# Altium PCB Fast_Servo.PCBDOC (part 1 of 7) (continued)
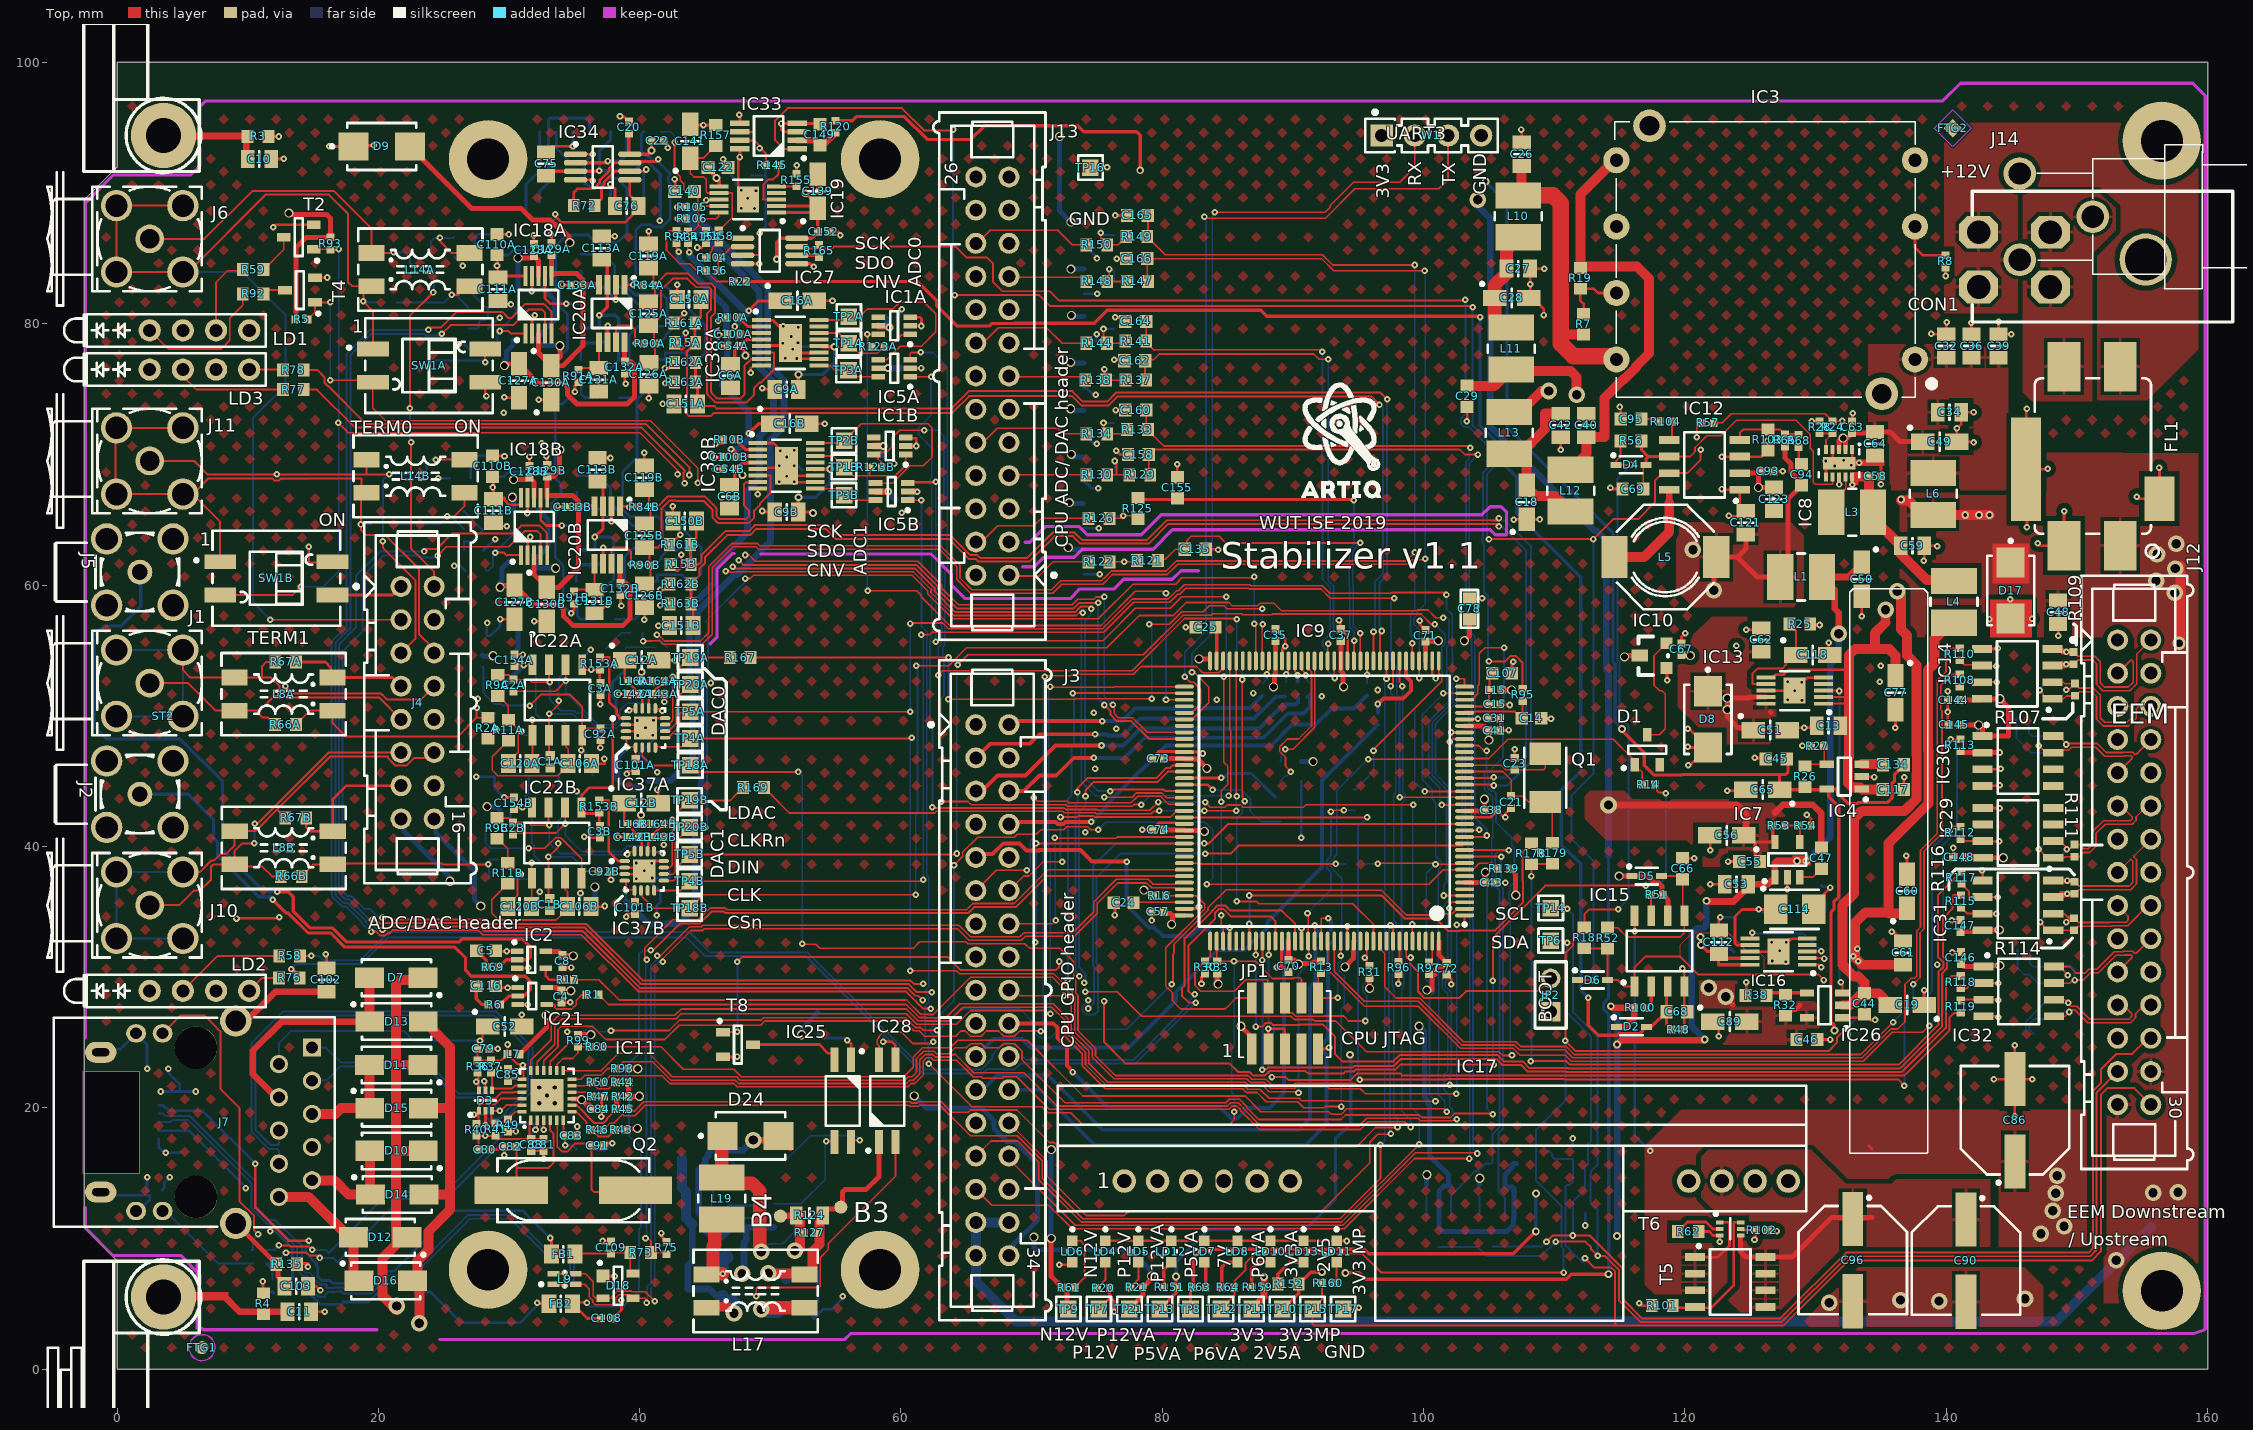
[diagram p0: Top view]
## Components (designator, comment, footprint, x,y, rotation, side; value= is the part's Value field where it differs from the comment) (continued)
IC22A "OPA2197ID" SOIC127P600X175-8N 33.702,51.21 r90 top (schematic designator IC22)
IC22B "OPA2197ID" SOIC127P600X175-8N 33.657,40.272 r90 top (schematic designator IC22)
IC23 "FIN1027AMX" SOIC127P600X175-8N 145.432,53.206 r0 bottom
IC25 "ACPL-217-500E" SOIC127P700X242-4N 55.55,20.524 r270 top
IC26 "LT1964ES5-SD#TRMPBF" SOT95P280X100-5N 130.692,27.846 r180 top
IC27 "ADA4528-2ARMZ-RL" ADI-RM-8_N 49.955,85.575 r0 top
IC28 "ACPL-217-500E" SOIC127P700X242-4N 58.947,20.524 r90 top
IC29 "FIN1028MX" SOIC127P600X175-8N 145.493,41.041 r180 top
IC30 "FIN1027AMX" SOIC127P600X175-8N 145.483,46.541 r0 top
IC31 "FIN1028MX" SOIC127P600X175-8N 145.483,35.485 r180 top
IC32 "FIN1027AMX" SOIC127P600X175-8N 145.543,28.906 r0 top
IC33 "LTC6655BHMS8-4.096#PBF" SOP65P490X110-8N 49.875,94.371 r180 top
IC34 "ADA4528-2ARMZ-RL" ADI-RM-8_N 37.171,92.001 r0 top
IC36 "FIN1027AMX" SOIC127P600X175-8N 145.492,41.041 r0 bottom
IC37A "AD5542ABCPZ-REEL7" QFN50P300X300X80-17N-S175 40.448,49.07 r0 top (schematic designator IC37)
IC37B "AD5542ABCPZ-REEL7" QFN50P300X300X80-17N-S175 40.353,38.132 r0 top (schematic designator IC37)
IC38A "LTC2310HMSE-16#PBF" SOP50P490X110-17N-R175X290 51.537,78.544 r0 top (schematic designator IC38)
IC38B "LTC2310HMSE-16#PBF" SOP50P490X110-17N-R175X290 51.239,69.133 r0 top (schematic designator IC38)
IC39 "FIN1028MX" SOIC127P600X175-8N 145.491,46.541 r180 bottom
IC40 "FIN1027AMX" SOIC127P600X175-8N 145.483,35.485 r0 bottom
IC41 "FIN1028MX" SOIC127P600X175-8N 145.543,28.906 r180 bottom
J1 "SMA" RF249BT0050GHDW 2.5,52.5 r180 top locked
J2 "MCX" AMPHENOL_919-383J-51A 1.75,44 r180 top locked
J3 "Header 34" 3M_N2534-6002RB 67,29 r270 top locked
J4 "Header 16" 3M_N2516-6002RB 23,51 r270 top locked
J5 "MCX" AMPHENOL_919-383J-51A 1.75,61 r180 top locked
J6 "SMA" RF249BT0050GHDW 2.5,86.5 r180 top locked
J7 "RJ45" ABRACON_ARJM11C7-114-BA-EW2 6.04,18.895 r270 top locked
J9 "USB" UJ2-MIBH-4-MSMT -1.5,18.895 r270 bottom locked
J10 "SMA" RF249BT0050GHDW 2.5,35.5 r180 top locked
J11 "SMA" RF249BT0050GHDW 2.5,69.5 r180 top locked
J12 "Familly" 3M_N2530-6002RB 154.384,38.018 r270 top locked
J13 "Header 26" 3M_N2526-6002RB 67,76 r90 top locked
J14 "Jack" SWITCHCRAFT_L712RA 145.617,84.9 r180 top
JP1 "PLHTD10S-TR-CV" PLHTD10S-TR-CV 92.559,26.45 r0 top
JP2 "1798942 (goldpin 2x 2.54)" jump 109.728,27.359 r180 top
L1 "10uH" IND_MURATA-PS_8400 128.892,60.624 r0 top
L2A "600R@100MHz" INDC1005X55N 30.707,58.184 r270 bottom (schematic designator L2)
L2B "600R@100MHz" INDC1005X55N 29.747,42.782 r0 bottom (schematic designator L2)
L3 "10uH" IND_MURATA-PS_8400 132.8,65.578 r0 top
L4 "10uH" IND_MURATA-PS_8400 140.59,58.725 r270 top
L5 "4.7uH" IND_BOURNS_SRU8043 118.5,62.145 r0 top
L6 "10uH" IND_MURATA-PS_8400 139,66.976 r90 top
L7 "600R@100MHz" INDC1005X55N 30.341,24.095 r0 top
L8A "2x6.5mH" IND_WURTH_WE-SL2 12.75,51.658 r180 top (schematic designator L8)
L8B "2x6.5mH" IND_WURTH_WE-SL2 12.757,39.896 r180 top (schematic designator L8)
L9 "90R@100MHz" IND_MURATA_DLW21S 34.264,6.891 r0 top
L10 "10uH" IND_MURATA-PS_8400 107.25,88.226 r270 top
L11 "10uH" IND_MURATA-PS_8400 106.699,78.105 r270 top
L12 "10uH" IND_MURATA-PS_8400 111.25,67.226 r270 top
L13 "10uH" IND_MURATA-PS_8400 106.553,71.658 r90 top
L14A "2x6.5mH" IND_WURTH_WE-SL2 23.221,84.144 r0 top (schematic designator L14)
L14B "2x6.5mH" IND_WURTH_WE-SL2 22.851,68.338 r0 top (schematic designator L14)
L15 "600R@100MHz" INDC1005X55N 105.509,51.973 r180 top
L16A "600R@100MHz" INDC1005X55N 39.583,52.642 r180 top (schematic designator L16)
L16B "600R@100MHz" INDC1005X55N 39.538,41.704 r180 top (schematic designator L16)
L17 "2x1mH" IND_WURTH_WE-SL2 48.87,5.974 r0 top
L18A "600R@100MHz" INDC1005X55N 27.986,54.175 r270 bottom (schematic designator L18)
L18B "600R@100MHz" INDC1005X55N 36.489,35.387 r270 bottom (schematic designator L18)
L19 "10uH" IND_MURATA-PS_8400 46.279,13.056 r270 top
LD1 "Green/Green" LED_DIALIGHT_571-0122F 2.5,79.5 r0 top locked
LD2 "Red/Green" LED_DIALIGHT_571-0112F 2.5,28.95 r0 top locked
LD3 "Red/Green" LED_DIALIGHT_571-0112F 2.5,76.5 r0 top locked
LD4 "Green" LED_KINGBRIGHT_KPH-1608CGCK 75.648,8.998 r270 top
LD5 "Green" LED_KINGBRIGHT_KPH-1608CGCK 78.175,8.998 r270 top
LD6 "Green" LED_KINGBRIGHT_KPH-1608CGCK 73.122,8.998 r270 top
LD7 "Green" LED_KINGBRIGHT_KPH-1608CGCK 83.228,8.998 r270 top
LD8 "Green" LED_KINGBRIGHT_KPH-1608CGCK 85.755,8.998 r270 top
LD10 "Green" LED_KINGBRIGHT_KPH-1608CGCK 88.281,8.998 r270 top
LD11 "Green" LED_KINGBRIGHT_KPH-1608CGCK 93.334,8.998 r270 top
LD12 "Green" LED_KINGBRIGHT_KPH-1608CGCK 80.701,8.998 r270 top
LD13 "Green" LED_KINGBRIGHT_KPH-1608CGCK 90.808,8.998 r270 top
Q1 "8MHz" XTAL_TXC_7A 109.314,45.25 r270 top
Q2 "25MHz" XTAL_ABRACON_ABLS 34.922,13.676 r180 top
R1 "100" RESC1005X40N 36.396,28.653 r0 top
R2A "30" RESC1608X55N 28.392,49.05 r90 top (schematic designator R2)
R2B "30" RESC1608X55N 29.257,37.5 r180 bottom (schematic designator R2)
R3 "0" RESC1608X55N 10.795,94.336 r180 top
R4 "0" RESC1608X55N 11.201,5 r270 top
R5 "10k" RESC1005X40N 14.12,80.334 r0 top
R6 "51" RESC1005X40N 28.867,27.898 r0 top
R7 "Undefined" RESC1608X55N 112.25,79.976 r270 top
R8 "0" RESC1005X40N 139.95,84.78 r90 top
R9A "560" RESC1608X55N 29.142,52.32 r270 top (schematic designator R9)
R9B "560" RESC1608X55N 29.097,41.382 r270 top (schematic designator R9)
R10A "0" RESC1005X40N 47.127,80.481 r0 top (schematic designator R10)
R10B "0" RESC1005X40N 46.85,71.133 r0 top (schematic designator R10)
R11A "1k58" RESC1608X55N 29.952,48.895 r270 top (schematic designator R11)
R11B "1k58" RESC1608X55N 29.907,37.957 r270 top (schematic designator R11)
R12 "49R9" RESC1005X40N 95.676,52.037 r90 bottom
R13 "10k" RESC1005X40N 92.159,30.754 r270 top
R14 "0" RESC1005X40N 117.209,44.727 r0 top
R15A "220" RESC1608X64N 43.468,78.549 r180 top (schematic designator R15)
R15B "220" RESC1608X64N 43.134,61.585 r180 top (schematic designator R15)
R16 "10k" RESC1005X40N 79.783,36.227 r0 top
R17 "100" RESC1005X40N 34.507,29.796 r0 top
R18 "2k7" RESC1608X55N 112.295,33.003 r90 top
R19 "36k" RESC1608X55N 112,83.476 r270 top
R20 "10k" RESC1005X40N 75.494,6.2 r0 top
R21 "10k" RESC1005X40N 78.038,6.25 r0 top
R22 "10k" RESC1005X40N 47.701,83.236 r0 top
R23 "2k4" RESC1005X40N 102.005,13.624 r270 bottom
R24 "33k" RESC1005X40N 131.3,72.078 r90 top
R25 "120k" RESC1608X55N 128.792,57.021 r180 top
R26 "24k" RESC1608X55N 129.192,45.346 r270 top
R27 "5k1" RESC1005X40N 130.137,47.687 r0 top
R28 "5k1" RESC1005X40N 130.3,72.078 r270 top
R29 "20k" RESC1005X40N 128.199,34.951 r180 bottom
R30 "10k" RESC1005X40N 83.274,30.736 r90 top
R31 "10k" RESC1005X40N 95.869,30.39 r90 top
R32 "24k" RESC1608X55N 127.692,27.846 r270 top
R33 "10k" RESC1005X40N 84.203,30.736 r90 top
R34 "0" RESC1005X40N 43.688,86.626 r270 top
R35 "330" RESC1005X40N 10.757,9.103 r180 bottom
R36 "49R9" RESC1005X40N 27.595,23.146 r90 top
R37 "49R9" RESC1005X40N 28.616,23.146 r90 top
R38 "2k7" RESC1608X55N 125.442,28.596 r0 top
R39 "330" RESC1005X40N 10.922,8.1 r180 bottom
R40 "49R9" RESC1005X40N 27.508,18.313 r90 top
R41 "49R9" RESC1005X40N 28.981,18.339 r90 top
R42 "10k" RESC1005X40N 38.691,20.855 r180 top
R43 "10k" RESC1005X40N 38.583,18.313 r180 top
R44 "10k" RESC1005X40N 38.681,21.945 r180 top
R45 "33" RESC1005X40N 38.691,19.895 r180 top
R46 "33" RESC1005X40N 36.754,18.313 r180 top
R47 "10k" RESC1005X40N 36.831,20.855 r0 top
R48 "62k" RESC1005X40N 119.475,25.982 r180 top
R49 "12k1" RESC1005X40N 29.917,18.652 r270 top
R50 "33" RESC1005X40N 36.788,21.946 r180 top
R51 "5k1" RESC1005X40N 117.84,36.288 r180 top
R52 "24k" RESC1608X55N 114.075,32.989 r270 top
R53 "51k" RESC1005X40N 127.192,41.596 r180 top
R54 "47k" RESC1005X40N 129.192,41.596 r180 top
R55 "10k" RESC1005X40N 11.887,6.391 r270 bottom
R56 "24k" RESC1608X55N 115.875,71.043 r180 top
R57 "5k1" RESC1005X40N 121.742,72.415 r0 top
R58 "220" RESC1608X55N 13.211,31.625 r0 top
R59 "220" RESC1608X55N 10.42,84.144 r0 top
R60 "33" RESC1005X40N 36.701,24.66 r180 top
R61 "10k" RESC1005X40N 72.834,6.241 r180 top
R62 "1k3" RESC1608X55N 120.252,10.526 r0 top
R63 "5k1" RESC1005X40N 82.845,6.25 r0 top
R64 "5k1" RESC1005X40N 85.019,6.25 r180 top
R65 "27k" RESC1005X40N 127.649,71.078 r270 top
R66A "0" RESC1608X55N 12.892,49.321 r180 top (schematic designator R66)
R66B "0" RESC1608X55N 13.335,37.704 r180 top (schematic designator R66)
R67A "0" RESC1608X55N 12.903,54.12 r180 top (schematic designator R67)
R67B "0" RESC1608X55N 13.68,42.182 r180 top (schematic designator R67)
R68 "1k" RESC1005X40N 128.701,71.043 r270 top
R69 "51" RESC1005X40N 28.753,30.76 r0 top
R70 "100k" RESC1005X40N 104.281,13.668 r90 bottom
R71 "100k" RESC1005X40N 100.205,13.624 r90 bottom
R72 "24k" RESC1608X55N 35.765,89.04 r180 top
R73 "24k" RESC1608X55N 40.072,8.914 r180 top
R74 "2k4" RESC1005X40N 106.23,13.574 r270 bottom
R75 "10k" RESC1005X40N 42.051,9.272 r90 top
R76 "220" RESC1608X55N 13.192,29.94 r0 top
R77 "220" RESC1608X55N 13.5,74.969 r0 top
R78 "220" RESC1608X55N 13.5,76.449 r0 top
R79A "Undefined" RESC1608X55N 23.222,85.414 r0 bottom (schematic designator R79)
R79B "Undefined" RESC1608X55N 22.887,68.449 r0 bottom (schematic designator R79)
R80A "0" RESC1608X55N 26.601,86.644 r0 bottom (schematic designator R80)
R80B "0" RESC1608X55N 26.267,69.679 r0 bottom (schematic designator R80)
R81A "1k8" RESC1608X55N 29.081,86.064 r270 bottom (schematic designator R81)
R81B "1k8" RESC1608X55N 28.747,69.099 r270 bottom (schematic designator R81)
R82A "100k" RESC1608X55N 26.601,85.144 r0 bottom (schematic designator R82)
R82B "100k" RESC1608X55N 26.267,68.179 r0 bottom (schematic designator R82)
R83A "49R9" RESC6331X70N 24.247,80.274 r90 bottom (schematic designator R83)
R83B "49R9" RESC6331X70N 14.62,65.029 r90 bottom (schematic designator R83)
R84A "51" RESC1005X40N 40.692,82.939 r0 top (schematic designator R84)
R84B "51" RESC1005X40N 40.358,65.974 r0 top (schematic designator R84)
R85A "24k" RESC1608X55N 37.68,74.345 r180 bottom (schematic designator R85)
R85B "24k" RESC1608X55N 37.345,57.38 r180 bottom (schematic designator R85)
R86A "Undefined" RESC1608X55N 20.601,81.644 r0 bottom (schematic designator R86)
R86B "Undefined" RESC1608X55N 20.267,64.679 r0 bottom (schematic designator R86)
R87A "0" RESC1608X55N 26.901,80.434 r270 bottom (schematic designator R87)
R87B "0" RESC1608X55N 26.567,63.47 r270 bottom (schematic designator R87)
R88A "1k8" RESC1608X55N 27.651,82.644 r0 bottom (schematic designator R88)
R88B "1k8" RESC1608X55N 27.317,65.679 r0 bottom (schematic designator R88)
R89A "100k" RESC1608X55N 28.401,80.434 r90 bottom (schematic designator R89)
R89B "100k" RESC1608X55N 28.067,63.47 r90 bottom (schematic designator R89)
R90A "51" RESC1005X40N 40.763,78.486 r0 top (schematic designator R90)
R90B "51" RESC1005X40N 40.386,61.515 r0 top (schematic designator R90)
R91A "2k4" RESC1005X40N 35.305,76.004 r90 top (schematic designator R91)
R91B "2k4" RESC1005X40N 34.971,59.04 r90 top (schematic designator R91)
R92 "220" RESC1608X55N 10.42,82.294 r0 top
R93 "10k" RESC1005X40N 16.332,86.143 r270 top
R94 "0" RESC1005X40N 42.809,86.644 r270 top
R95 "30" RESC1005X40N 107.585,51.595 r270 top
R96 "10k" RESC1005X40N 98.089,30.706 r270 top
R97 "0" RESC1005X40N 100.405,30.68 r270 top
R98 "1k5" RESC1005X40N 38.681,23.001 r180 top
R99 "10k" RESC1005X40N 35.286,25.13 r270 top
R100 "2k4" RESC1005X40N 116.58,27.648 r180 top
R101 "82k" RESC1608X55N 118.262,4.851 r0 top
R102 "33k" RESC1005X40N 125.885,10.626 r180 top
R103 "8k2" RESC1608X55N 126.346,71.108 r270 top
R104 "10k" RESC1005X40N 118.541,72.508 r0 top
R105 "0" RESC1005X40N 44.018,88.933 r180 top
R106 "0" RESC1005X40N 44.044,88.045 r180 top
R107 "100" RESC1005X40N 149.86,51.999 r90 top
R108 "100" RESC1005X40N 141.035,52.706 r270 top
R109 "100" RESC1005X40N 149.732,54.413 r90 top
R110 "100" RESC1005X40N 141.035,54.706 r270 top
R111 "100" RESC1005X40N 149.811,39.676 r90 top
R112 "100" RESC1005X40N 141.086,41.041 r270 top
R113 "100" RESC1005X40N 141.086,47.741 r270 top
R114 "100" RESC1005X40N 149.783,34.041 r90 top
R115 "100" RESC1005X40N 141.126,35.798 r270 top
R116 "100" RESC1005X40N 149.811,36.835 r90 top
R117 "100" RESC1005X40N 141.151,37.605 r270 top
R118 "100" RESC1005X40N 141.111,29.614 r270 top
R119 "100" RESC1005X40N 141.111,27.742 r90 top
R120 "0" RESC1005X40N 54.995,95.08 r270 top
R121 "1k" RESC1608X55N 78.867,61.874 r180 top
R122 "1k" RESC1608X55N 75.15,61.777 r180 top
R123A "0" RESC1005X40N 58.242,78.236 r180 top (schematic designator R123)
R123B "0" RESC1005X40N 58.059,69.008 r0 top (schematic designator R123)
R124 "Undefined" RESC2012X60N 53.001,11.76 r180 top
R125 "1k" RESC1608X55N 78.13,65.862 r270 top
R126 "1k" RESC1608X55N 75.15,65.106 r180 top
R127 "0" RESC1005X40N 53.02,10.424 r180 top
R128 "49R9" RESC1005X40N 90.046,32.918 r180 bottom
R129 "1k" RESC1608X55N 78.275,68.436 r180 top
R130 "1k" RESC1608X55N 74.979,68.436 r180 top
R131 "49R9" RESC1005X40N 91.851,32.648 r90 bottom
R132 "49R9" RESC1005X40N 92.909,33.132 r90 bottom
R133 "1k" RESC1608X55N 78.1,71.898 r180 top
R134 "1k" RESC1608X55N 74.979,71.58 r180 top
R135 "0" RESC1608X55N 12.979,8.026 r180 top
R136 "49R9" RESC1005X40N 96.495,49.784 r270 bottom
R137 "1k" RESC1608X55N 77.975,75.687 r180 top
R138 "1k" RESC1608X55N 74.9,75.687 r180 top
R139 "10k" RESC1005X40N 106.156,38.296 r0 top
R140 "82k" RESC1608X55N 46.431,14.503 r180 bottom
R141 "1k" RESC1608X55N 77.963,78.669 r180 top
R142 "20k" RESC1005X40N 130.226,34.951 r180 bottom
R143 "10k" RESC1005X40N 130.442,36.561 r270 bottom
R144 "1k" RESC1608X55N 74.975,78.512 r180 top
R145 "220" RESC1005X40N 50.155,92.126 r180 top
R146 "20k" RESC1005X40N 47.045,16.358 r270 bottom
R147 "220" RESC1608X55N 78.1,83.241 r180 top
R148 "220" RESC1608X55N 74.979,83.241 r180 top
R149 "220" RESC1608X55N 78.05,86.666 r180 top
R150 "220" RESC1608X55N 74.979,86.041 r180 top
R151 "2k4" RESC1005X40N 80.589,6.25 r180 top
R152 "220" RESC1608X55N 89.645,6.5 r0 top
R153A "10k" RESC1005X40N 36.952,53.99 r270 top (schematic designator R153)
R153B "10k" RESC1005X40N 36.907,43.052 r270 top (schematic designator R153)
R154 "1k" RESC1005X40N 45.08,86.644 r90 top
R155 "220" RESC1005X40N 52,91 r270 top
R156 "5k1" RESC1005X40N 45.55,84.06 r0 top
R157 "39k" RESC1608X55N 45.825,94.412 r270 top
R158 "220" RESC1005X40N 46.052,86.689 r90 top
R159 "1k" RESC1005X40N 87.315,6.25 r180 top
R160 "1k" RESC1005X40N 92.71,6.579 r0 top
R161A "220" RESC1608X64N 43.427,80.059 r0 top (schematic designator R161)
R161B "220" RESC1608X64N 43.093,63.094 r0 top (schematic designator R161)
R162A "220" RESC1608X64N 43.468,77.043 r180 top (schematic designator R162)
R162B "220" RESC1608X64N 43.134,60.078 r180 top (schematic designator R162)
R163A "220" RESC1608X64N 43.468,75.534 r0 top (schematic designator R163)
R163B "220" RESC1608X64N 43.134,58.57 r0 top (schematic designator R163)
R164A "10" RESC1005X40N 41.419,52.642 r0 top (schematic designator R164)
R164B "10" RESC1005X40N 41.374,41.704 r0 top (schematic designator R164)
R165 "5k1" RESC1005X40N 53.735,85.575 r90 top
R166 "10" RESC2012X60N 44.25,16.3 r180 bottom
R167 "0" RESC1608X55N 47.688,54.46 r0 top
R168 "220" RESC1608X55N 53.646,26.487 r90 bottom
R169 "0" RESC1608X55N 48.711,44.501 r0 top
R170A "Undefined" RESC1608X55N 43.468,77.043 r180 bottom (schematic designator R170)
R170B "Undefined" RESC1608X55N 43.134,60.078 r180 bottom (schematic designator R170)
R171A "Undefined" RESC1608X55N 43.468,78.549 r180 bottom (schematic designator R171)
R171B "Undefined" RESC1608X55N 43.134,61.584 r180 bottom (schematic designator R171)
R172A "Undefined" RESC1608X55N 37.38,54.331 r270 bottom (schematic designator R172)
R172B "Undefined" RESC1608X55N 38.908,54.348 r270 bottom (schematic designator R172)
R173 "100" RESC1005X40N 145.847,49.852 r180 bottom
R174 "100" RESC1005X40N 145.923,32.121 r180 bottom
R175 "100" RESC1005X40N 146.227,25.636 r0 bottom
R176 "0" RESC1608X55N 94.717,43.51 r270 bottom
R177 "0" RESC1608X55N 94.844,38.659 r180 bottom
R178 "0" RESC1608X55N 108.255,39.446 r90 top
R179 "0" RESC1608X55N 109.855,39.484 r90 top
R180 "1k" RESC1608X55N 89.843,46.498 r0 bottom
R181 "1k" RESC1608X55N 89.843,44.974 r0 bottom
R182 "1k" RESC1608X55N 89.843,43.367 r0 bottom
R183 "1k" RESC1608X55N 89.843,41.905 r0 bottom
R184 "82k" RESC1608X55N 48.184,11.582 r90 bottom
R185 "49R9" RESC1005X40N 84.071,33.637 r0 bottom
R186 "49R9" RESC1005X40N 91.288,52.07 r270 bottom
R187 "49R9" RESC1005X40N 90.376,52.065 r270 bottom
R188 "49R9" RESC1005X40N 89.425,52.065 r270 bottom
R189 "49R9" RESC1005X40N 87.681,52.019 r270 bottom
RN1A "10k 5K 5K 10K" SOIC127P600X175-8N 38.217,83.43 r0 bottom (schematic designator RN1)
RN1B "10k 5K 5K 10K" SOIC127P600X175-8N 37.883,66.465 r0 bottom (schematic designator RN1)
RN2A "10k 5K 5K 10K" SOIC127P600X175-8N 38.18,77.899 r0 bottom (schematic designator RN2)
RN2B "10k 5K 5K 10K" SOIC127P600X175-8N 37.845,60.934 r0 bottom (schematic designator RN2)
RN3 "10k 5K 5K 10K" SOIC127P600X175-8N 34.262,92.001 r90 bottom
RN4 "10k 5K 5K 10K" SOIC127P600X175-8N 39.671,92.001 r90 bottom
RN5A "10k 5K 5K 10K" SOIC127P600X175-8N 33.702,51.21 r270 bottom (schematic designator RN5)
RN5B "10k 5K 5K 10K" SOIC127P600X175-8N 33.657,40.272 r270 bottom (schematic designator RN5)
ST2 "SCHROFF_PANEL_3U_4HP-Stabilizer" "SCHROFF_PANEL_3HP_4U - STABILIZER" 3.556,5.512 r0 top locked
SW1A "Switch" SW_CTS_204-121ST 23.881,76.804 r0 top (schematic designator SW1)
SW1B "Switch" SW_CTS_204-121ST 12.2,60.519 r0 top (schematic designator SW1)
T1 "BSS138LT1G" SOT95P240X110-3N 105.279,10.541 r270 bottom
T2 "BSS138LT1G" SOT95P240X110-3N 13.907,86.643 r180 top
T3 "BSS138LT1G" SOT95P240X110-3N 101.155,10.483 r270 bottom
T4 "BSS138LT1G" SOT95P240X110-3N 14,82.584 r180 top
T5 "SI4425DDY-T1-GE3" SOIC127P600X175-8N 123.468,6.665 r0 top
T6 "BC857BV" SOTFL50P160X60-6N 123.468,10.726 r0 top
T7 "FDN86246" SOT95P237X112-3N 45.187,11.093 r180 bottom
T8 "BSS138LT1G" SOT95P240X110-3N 47.525,24.841 r0 top
TP1A "Test Point" TPS127 56.007,78.516 r0 top (schematic designator TP1)
TP1B "Test Point" TPS127 55.652,69.032 r0 top (schematic designator TP1)
TP2A "Test Point" TPS127 56.007,80.555 r0 top (schematic designator TP2)
TP2B "Test Point" TPS127 55.652,71.057 r0 top (schematic designator TP2)
TP3A "Test Point" TPS127 55.982,76.459 r0 top (schematic designator TP3)
TP3B "Test Point" TPS127 55.652,66.882 r0 top (schematic designator TP3)
TP4A "Test Point" TPS127 43.873,48.265 r90 top (schematic designator TP4)
TP4B "Test Point" TPS127 43.828,37.327 r90 top (schematic designator TP4)
TP5A "Test Point" TPS127 43.873,50.322 r90 top (schematic designator TP5)
TP5B "Test Point" TPS127 43.828,39.384 r90 top (schematic designator TP5)
TP6 "Test Point" TPS127 109.728,32.789 r180 top
TP7 "Test Point" TPS127 75.142,4.597 r0 top
TP8 "Test Point" TPS127 82.155,4.597 r0 top
TP9 "Test Point" TPS127 72.804,4.597 r0 top
TP10 "Test Point" TPS127 89.169,4.597 r90 top
TP11 "Test Point" TPS127 86.831,4.597 r90 top
TP12 "Test Point" TPS127 84.493,4.597 r90 top
TP13 "Test Point" TPS127 79.818,4.597 r90 top
TP14 "Test Point" TPS127 109.728,35.281 r270 top
TP15 "Test Point" TPS127 91.507,4.597 r270 top
TP16 "Test Point" TPS127 74.498,91.948 r90 top
TP17 "Test Point" TPS127 93.845,4.597 r90 top
TP18A "Test Point" TPS127 43.873,46.2 r90 top (schematic designator TP18)
TP18B "Test Point" TPS127 43.828,35.262 r90 top (schematic designator TP18)
TP19A "Test Point" TPS127 43.873,54.46 r90 top (schematic designator TP19)
TP19B "Test Point" TPS127 43.828,43.522 r90 top (schematic designator TP19)
TP20A "Test Point" TPS127 43.873,52.392 r90 top (schematic designator TP20)
TP20B "Test Point" TPS127 43.828,41.454 r90 top (schematic designator TP20)
TP21 "Test Point" TPS127 77.48,4.597 r0 top
W1 "Header 4" SAMTEC_HTSW-104-23-L-S 96.789,94.412 r0 top
WASHER1 "D11.1xd6.6" Keystone_7687 -12.5,-3.954 r0 top
WASHER2 "D11.1xd6.6" Keystone_7687 -10.7,-3.954 r0 top
WASHER3 "D11.1xd6.6" Keystone_7687 -16.1,-3.954 r0 top
WASHER4 "D11.1xd6.6" Keystone_7687 -14.3,-3.954 r0 top
WASHER5 "D11.1xd6.6" Keystone_7687 -5.3,-3.954 r0 top
WASHER6 "D11.1xd6.6" Keystone_7687 -3.5,-3.954 r0 top
WASHER7 "D11.1xd6.6" Keystone_7687 -8.9,-3.954 r0 top
WASHER8 "D11.1xd6.6" Keystone_7687 -7.1,-3.954 r0 top

## Footprints (in the part's own frame and the unit in brackets; to place one, negate y for a bottom-side part, rotate by r counter-clockwise, add the part's x,y. Pads: shape width x height; smd on the part's side, far side on the other; paste and mask are expansions set on the pad)
3M_N2516-6002RB [mm] "16 Contacts - Straight .100\" x .100\" Low Profile Four-Wall Header"
  round 1.6 hole 1: 1(-8.89,-1.27) 2(-8.89,1.27) 3(-6.35,-1.27) 4(-6.35,1.27) 5(-3.81,-1.27) 6(-3.81,1.27) 7(-1.27,-1.27) 8(-1.27,1.27) 9(1.27,-1.27) 10(1.27,1.27) 11(3.81,-1.27) 12(3.81,1.27) 13(6.35,-1.27) 14(6.35,1.27) 15(8.89,-1.27) 16(8.89,1.27)
  silkscreen extent -13.82,-4.85 13.82,4.52, body extent -13.82,-4.17 13.82,4.52, height 9.65